# Altium PCB Ctrl_FOC.PcbDoc (part 1 of 2) (continued)
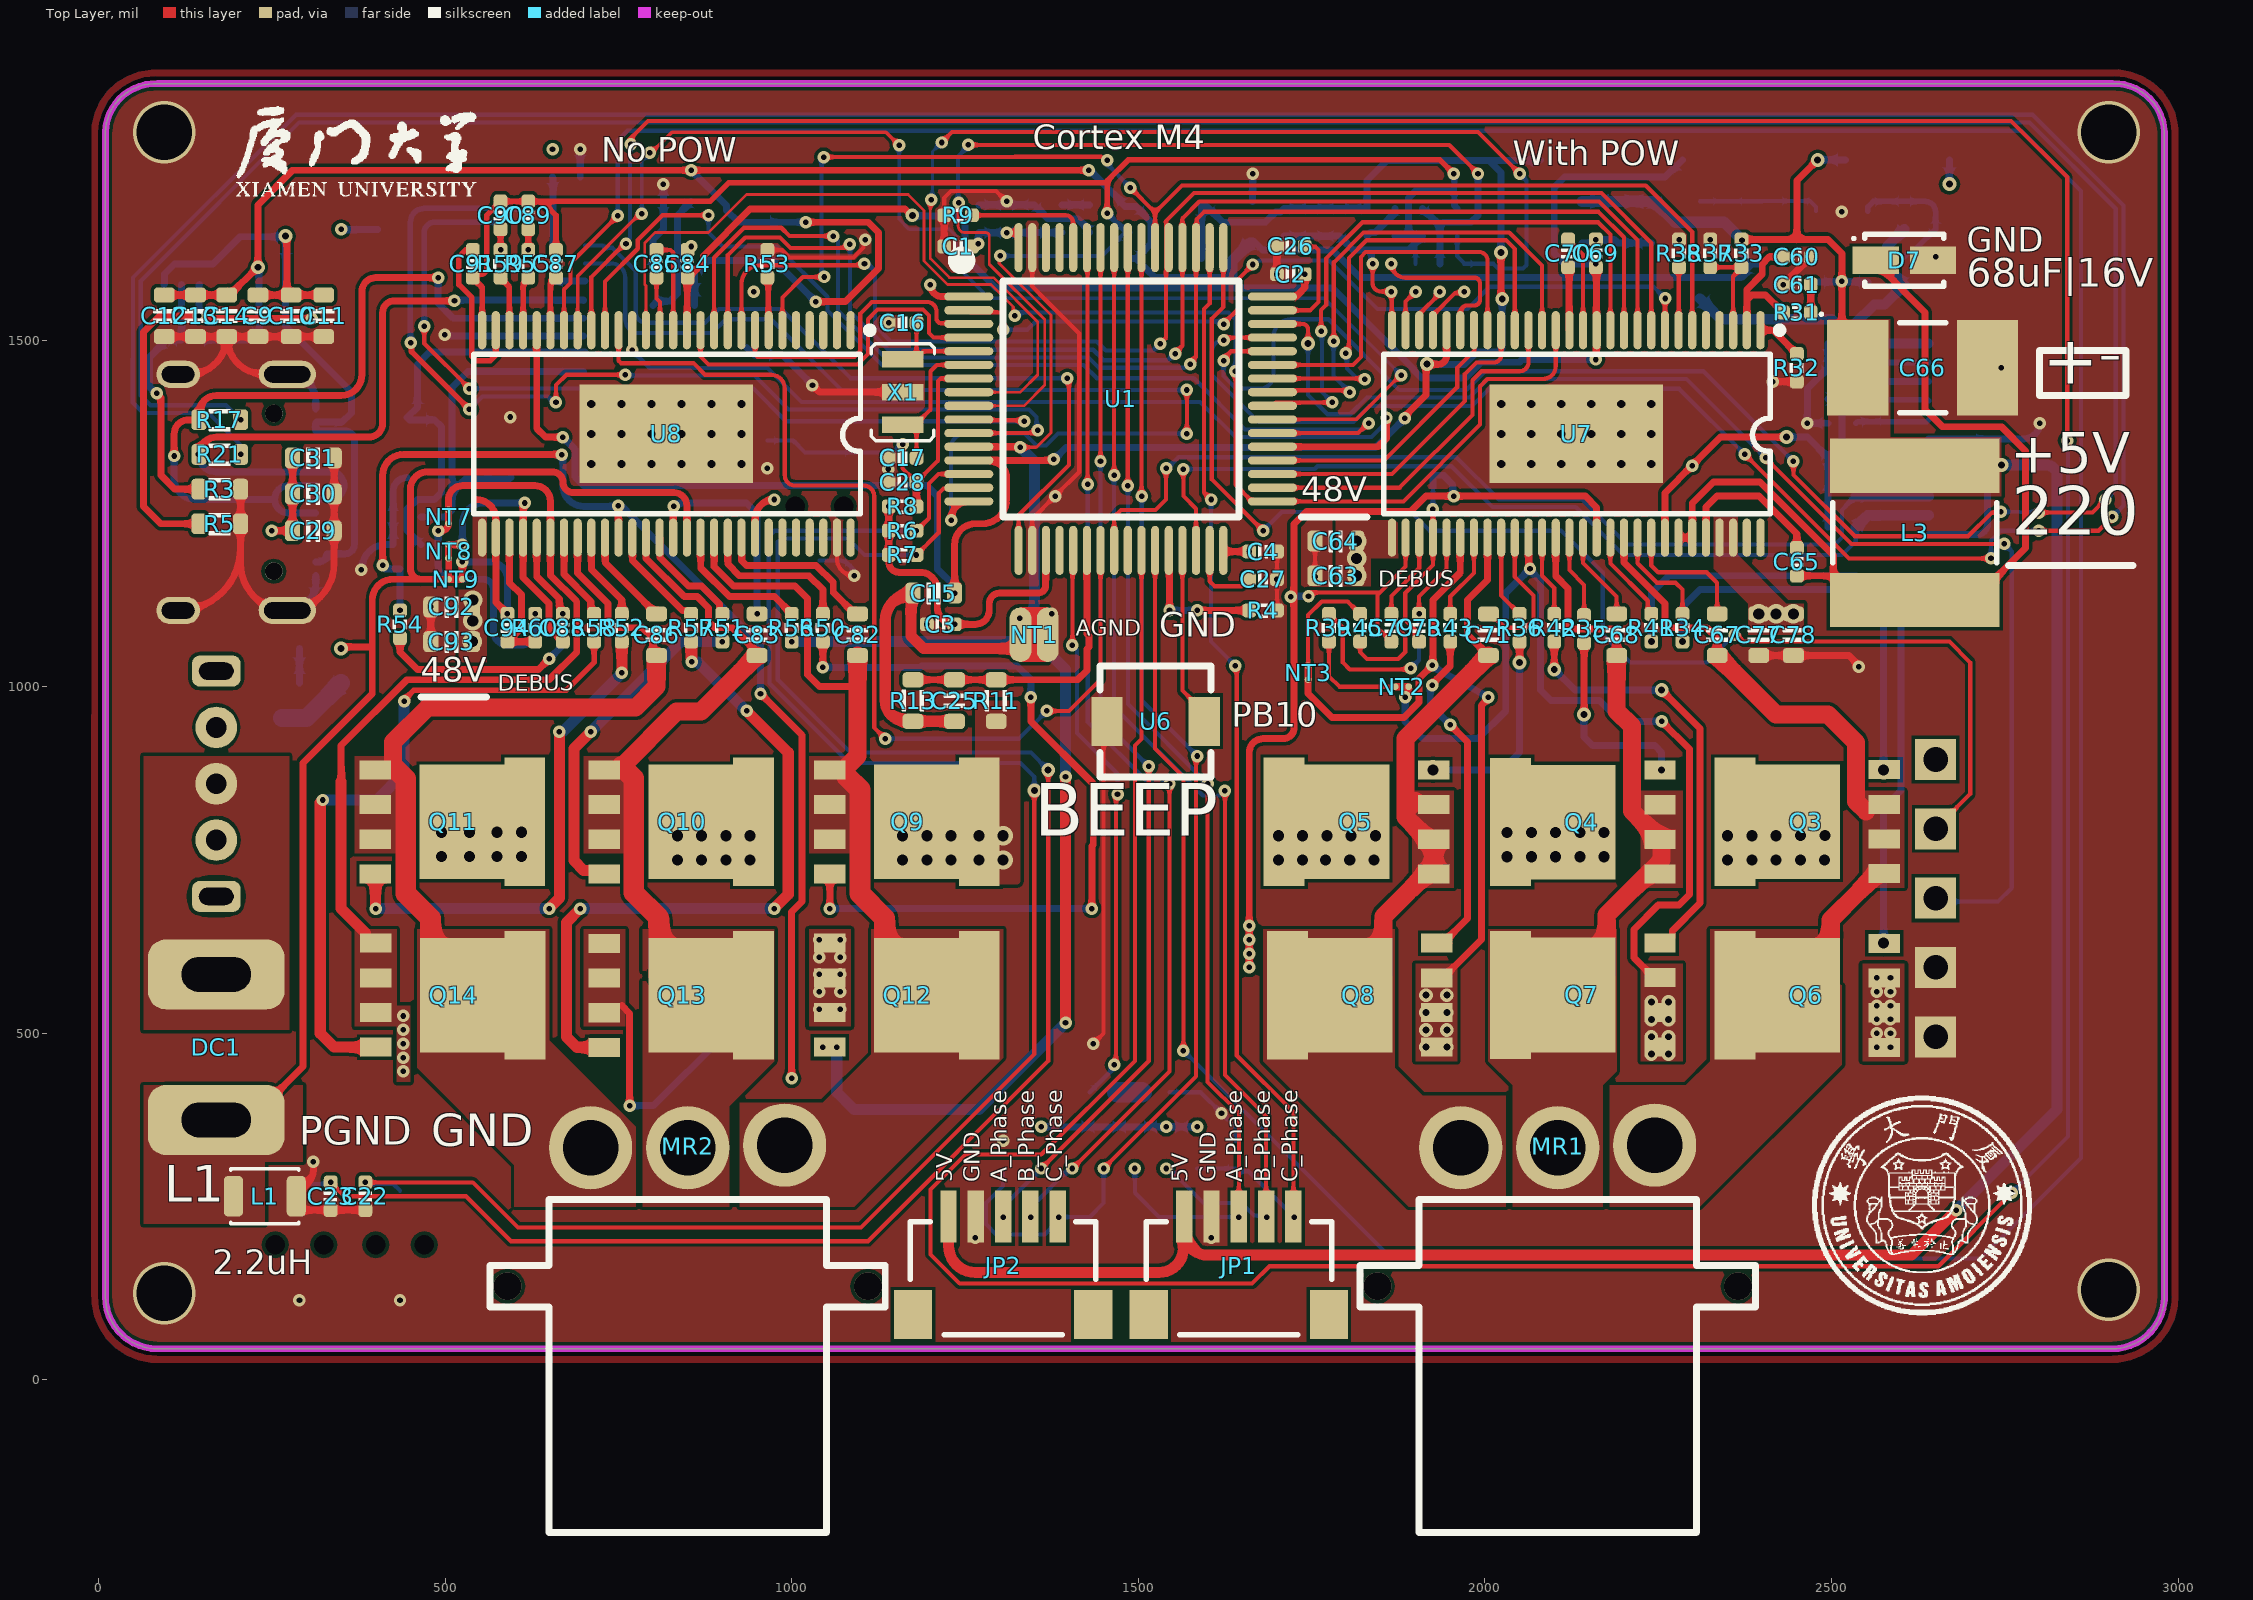
[diagram p0: Top Layer view]
## Footprints (in the part's own frame and the unit in brackets; to place one, negate y for a bottom-side part, rotate by r counter-clockwise, add the part's x,y. Pads: shape width x height; smd on the part's side, far side on the other; paste and mask are expansions set on the pad) (continued)
  silkscreen extent -1.78,-1.14 1.78,1.17
主控芯片LQFP64-10*10 [mm] "10x10mm，0.5mm       淘宝ID:黄晶宝石"
  oval 0.3x1.8 smd: 1(-3.75,-5.575) 2(-3.25,-5.575) 3(-2.75,-5.575) 4(-2.25,-5.575) 5(-1.75,-5.575) 6(-1.25,-5.575) 7(-0.75,-5.575) 8(-0.25,-5.575) 9(0.25,-5.575) 10(0.75,-5.575) 11(1.25,-5.575) 12(1.75,-5.575) 13(2.25,-5.575) 14(2.75,-5.575) 15(3.25,-5.575) 16(3.75,-5.575) 33(3.75,5.55) 34(3.25,5.55) 35(2.75,5.55) 36(2.25,5.55) 37(1.75,5.55) 38(1.25,5.55) 39(0.75,5.55) 40(0.25,5.55) 41(-0.25,5.55) 42(-0.75,5.55) 43(-1.25,5.55) 44(-1.75,5.55) 45(-2.25,5.55) 46(-2.75,5.55) 47(-3.25,5.55) 48(-3.75,5.55)
  oval 1.8x0.3 smd: 17(5.55,-3.75) 18(5.55,-3.25) 19(5.55,-2.75) 20(5.55,-2.25) 21(5.55,-1.75) 22(5.55,-1.25) 23(5.55,-0.75) 24(5.55,-0.25) 25(5.55,0.25) 26(5.55,0.75) 27(5.55,1.25) 28(5.55,1.75) 29(5.55,2.25) 30(5.55,2.75) 31(5.55,3.25) 32(5.55,3.75) 49(-5.55,3.75) 50(-5.55,3.25) 51(-5.55,2.75) 52(-5.55,2.25) 53(-5.55,1.75) 54(-5.55,1.25) 55(-5.55,0.75) 56(-5.55,0.25) 57(-5.55,-0.25) 58(-5.55,-0.75) 59(-5.55,-1.25) 60(-5.55,-1.75) 61(-5.55,-2.25) 62(-5.55,-2.75) 63(-5.55,-3.25) 64(-5.55,-3.75)
  silkscreen extent -5.33,-6.09 4.32,4.32, body extent -6,-6 6,6, height 1.45
单排弯插针5 [mm]
  rect 1.5x1.5 hole 0.9: 1(0,0) 2(2.54,0) 3(5.08,0) 4(7.62,0) 5(10.16,0)
  silkscreen extent -1.27,0.03 11.43,9.71, body extent -1.27,-0.32 11.43,9.81, height 2.51
按键_3x4x2 [mil]
  round 0 hole 28: 0(0,-35) 0(0,35)
  rrect50% 40x74 smd: 1(-78,0) 2(78,0)
  body extent -79,-49 79,49, height 63
电源开关 [mil]
  round 60 hole 30: 1(81.25,0) 2(162.5,0) 3(243.75,0)
  rrect50% 45x70 hole 50 slot 25 at 0 deg: EH(0,0) EH(325,0)
  silkscreen extent -30,-90 355,90, body extent -7,-89 332,89, height 343

## Part data
C1 C2 C3 C4 C6 C7 C8 C16 C17 C19 C20 C21 C22 C23 C24 C26 C27 C28 C32 C33 C34 C35 C36 C50 C51 C58 C59 C60 C61 C65 C69 C70 C72 C73 C74 C75 C76 C79 C84 C85 C87 C88 C89 C90 C91 C94: library part 电容-0402, "Capacitor"
C5 C9 C10 C11 C12 C13 C14 C15 C18 C25 C29 C30 C31 C52 C53 C54 C63 C64 C67 C68 C71 C77 C78 C82 C83 C86 C92 C93: library part 电容-0603, "Capacitor"
C37 C38 C39 C40 C41 C42 C43 C44 C45 C46 C47 C48 C49 C55 C56 C57: library part 电容-1206, "Capacitor"
C66: library part 钽电容
D1 D2 D3 D4: library part LED_0402, "LED"
D5: "40V"
D6: library part LED_0603, "LED"
D7: "Rectifier Diode, Single, 40 V, 1 A, SOD-123FL, 2, 550 mV"
DC1: "12~24VDC电源"
J1: "Header, 5-Pin"
JP1 JP2: library part "Header 5", "5P接插件"
K1 K2 K3: library part ButtonTACT_3x4x2_180, "Button"
L1 L2: library part 电感-0805, "磁珠"
L3: library part NR6028T220M, "INDUCTOR 22UH 1.4A 175.5 MOHM"
MR1 MR2: library part MR30PW-M, "MR30PW-M 三芯"
NT1: library part NetTie_2mm
NT2 NT3 NT4 NT5 NT6 NT7 NT8 NT9: library part NetTie_0.25mm
OLED1: "12880寸OLED"
Q1: "MOSFET"
Q2: "Transistor"
Q3 Q4 Q5 Q6 Q7 Q8 Q9 Q10 Q11 Q12 Q13 Q14: "MOSFET N-CH 30V 13A SO8FL"
R1 R3 R5 R11 R13 R14 R15 R16 R17 R18 R19 R20 R21 R25: library part 电阻-0603, "Resistor"
R2 R4 R6 R7 R8 R9 R10 R12 R23 R24 R26 R27 R28 R29 R30 R31 R32 R33 R34 R35 R36 R37 R38 R39 R40 R41 R42 R43 R44 R45 R50 R51 R52 R53 R54 R55 R56 R57 R58 R59 R60: library part 电阻-0402, "Resistor"
R46 R47 R61 R62: "RES SMD 0.0005 OHM 1% 3W 2512"
TP1 TP2 TP3 TP5: "SMD test pin"
U1: "ARM Cortex-M4 32-bit MCU+FPU, 210 DMIPS, 1024 kB Flash, 192 kB Internal RAM, 51 I/Os, 64-pin LQFP, -40 to 85 degC, Tray"
U2: "IC, LDO, REG, 3.3V, SOT223"
U3: library part LP5907MFX-3.3/NOPB, "IC REG LDO 3.3V 0.25A SOT23-5"
U4: "Port"
U7 U8: "MOTOR DRIVER, 3PH, 56HTSSOP"
USB1: library part USB-Type-C-TOP
X1: library part XTAL-3215
XT1: library part ABM3B-8.000MHZ-10-1-U-T, "Crystal 8MHz ±10ppm 10pF 200 Ohm -10°C ~ 60°C Surface Mount 4-SMD, No Lead (DFN, LCC)"

## Via types
v1: diameter 18, hole 8, Top Layer to Bottom Layer, tented both sides, 276 vias
v2: diameter 28, hole 16, Top Layer to Bottom Layer, tented both sides, 68 vias
v3: diameter 20, hole 10, Top Layer to Bottom Layer, tented both sides, 37 vias
v4: diameter 27.56, hole 11.81, Top Layer to Bottom Layer, 36 vias
v5: diameter 40, hole 40, Top Layer to Bottom Layer, 4 vias
v6: diameter 90, hole 80, Top Layer to Bottom Layer, 4 vias
v7: diameter 18, hole 8, Top Layer to Bottom Layer, 2 vias

## Nets (pads, with @x,y where several pads share a name; then routed paths per layer and width w, separated by ;. In a path a pad name is that pad's centre, name@x,y a point inside that pad or via, vN(x,y) a via of type N, cw(c..) or ccw(c..) an arc to the next point about the centre after c; other vN are vias at no path point)
5V: C5.2 C12.2 C13.2 C14.2 C18.2 C52.2 C53.2 C54.2 C66.1 JP1.1 JP2.1 L2.2 L3.2 Q1.2 Q2.4 R1.2 R33.2 TP2.1 TPS1.4 TPS1.5 U2.3 U3.1 U3.3 | length 7243.2
  Top Layer w10: C12.2@95,1565 C13.2@140,1565 C14.2@185,1565 189.27,1565 v3@230,1605.73 ; v3(230,1605) v3@230,1605.73 ; v1(1020,1670) 1110,1670 1125,1655 1125,1603.13 1077.35,1555.48 v1(1034.52,1555.48) ; v1(1428.84,1745) v1(855,1745) 280,1745 230,1695 v3@230,1605.73 ; R33.2@2370,1645 2450,1645 ; v3@2475,1755 2450,1730 2450,1645 ; C66.1@2537.99,1460 2515,1482.99 v1(2515,1585) 2515,1625 2495,1645 2450,1645 ; L3.2@2615,1315 2618.7,1318.7 L3.2@2620,1318.7
  Top Layer w16: JP2.1@1226.26,235.87 1226.26,193.74 ccw(c1265,193.74) 1265,155 1530,155 ccw(c1530,190) 1565,190 JP1.1@1565,213.74 ; JP1.1@1566.26,235.87 1566.26,213.74 ccw(c1600,213.74) 1600,180 2615,180 v1(2680,245)
  Bottom Layer w10: Q2.4@145.59,1500 214.94,1500 232.6,1517.66 Q1.2@232.6,1530.94 231.3,1532.24 231.3,1603.7 v3(230,1605) ; v1(855,1745) 905.89,1694.11 905.89,1687.17 923.06,1670 v1(1020,1670) ; R1.2@860,1550 C5.2@860,1595 860,1598.73 865.96,1604.69 869.69,1604.69 880,1615 975,1615 v1(1034.52,1555.48) ; v1(1428.84,1745) 1430,1745 1474.13,1700.87 1474.13,1699.21 1480.94,1692.4 U3.3@1488.82,1692.4 1496.69,1692.4 1518.5,1670.59 1518.5,1639.41 U3.1@1496.69,1617.6 ; U3.1@1488.82,1617.6 U3.1@1496.69,1617.6 ; 1635,1590 1523.79,1590 1510.92,1602.86 1510.92,1603.37 U3.1@1496.69,1617.6 ; C18.2@1665,1640 1669.27,1640 1679.27,1630 1780,1630 1820,1590 2369.61,1590 2376.64,1597.02 2376.64,1601.36 L2.2@2385.27,1610 ; v1(2370.82,1644.18) 2370.82,1624.46 L2.2@2385.27,1610 ; L2.2@2400,1610 L2.2@2385.27,1610 ; TPS1.5@2477.6,1583.82 TPS1.4@2552.4,1583.82 ; v3(2480,1760) TP2.1@2520,1760
  Bottom Layer w16: 1635,1593 1635,1614 1661,1640 C18.2@1665,1640 ; C52.2@2140,1700 C53.2@2190,1700 C54.2@2240,1700 2244,1700 2274,1670 2345,1670 v1(2370.82,1644.18) ; v1(2680,245) 2825,390 2825,1310.63 2820.31,1315.31 ccw(c2809,1304) 2809,1320 v3(2745,1320)
AGND: C15.1 C19.1 C20.1 C21.1 C25.1 C72.2 C74.1 C75.1 C76.1 C87.2 C89.1 C90.1 C91.1 D4.2 NT1.2 R13.1 U1.12 U3.2 U7.28 U8.28 | length 3784.3
  Top Layer w4: v1(1301,1621.49) 1301,1621.03 1299.23,1619.26 1299.23,1610.77 1374,1536 1374,1366.37 1353.04,1345.42 v1(1330,1345.42)
  Top Layer w6: v1@1835.7,1607.7 v1(1838,1610) 1838,1582 ccw(c1850,1582) 1850,1570 v1(1865,1570) 1865.47,1569.53 1865.47,1514.68 U7.28@1865.94,1514.21
  Top Layer w8: U8.28@553.5,1514.21 553.5,1575.95 540,1589.46 C91.1@540,1590 545.38,1595.38 555.31,1595.38 560,1600.07 560,1680 C90.1@580,1700 C89.1@620,1700 640,1700 ; C87.2@660,1630 660,1680 640,1700 ; v1(1455,1683.21) 1455,1729.54 ; v1(1955,1740) 1935,1760 1485.46,1760 1455,1729.54 ; 640,1700 882.47,1700 909.47,1727 1421.38,1727 1452.46,1727 1455,1729.54
  Top Layer w10: U1.12@1255.5,1346.1 v1@1328.9,1346.1
  Top Layer w16: C25.1@1235,950 R13.1@1175,950 1165,950 cw(c1165,980) 1135,980 1135,1095 cw(c1175,1095) C15.1@1175,1135 1172,1132 1172,1073 1190,1055 NT1.2@1315,1055 ; v1@1328.9,1346.1 1329.58,1345.42 v1(1330,1345.42)
  Bottom Layer w6: v1(1301,1621.49) 1447.43,1621.49 1480.94,1655 U3.2@1488.82,1655 ; C76.1@1900,1610 1900,1638.92
  Bottom Layer w8: v1(1455,1683.21) 1480.94,1657.26 U3.2@1480.94,1655 ; v1(1955,1740) 1955.86,1739.14 1955.86,1709.14 1955.86,1701.64
  Bottom Layer w10: C19.1@1710,1650 C20.1@1750,1650 C21.1@1790,1650 1810,1630 1835,1630 ; v1(1838,1610) 1836.47,1611.53 1836.47,1622.53 1835,1624 1835,1630 ; D4.2@1870,1650 1890,1650 ; 1955.86,1701.64 1955.86,1694.14 C74.1@1960,1690 ; 1955.86,1709.14 1950,1715 1900,1715 1890,1705 1890,1650 ; 1835,1630 1890,1630 C75.1@1910,1650 1890,1650
  Bottom Layer w16: v1(1329,1099) ccw(c1329,1120) 1350,1120 1350,1325 1330,1345 v1(1330,1345.42)
AVCC: C15.2 C19.2 C20.2 C21.2 R10.2 TP3.1 U1.13 U3.4 U3.5 U7.24 U8.24 | length 3035.7
  Top Layer w10: U8.24@632.24,1514.21 632.24,1372.76 645,1360 v1(670,1360) ; v1(1235,1135) 1235,1205 cw(c1265,1205) 1265,1235 1274.58,1235 ccw(c1274.58,1270.42) 1310,1270.42 1310,1300.84 ccw(c1284.42,1300.84) U1.13@1284.42,1326.42 ; U1.13@1255.5,1326.42 U1.13@1284.42,1326.42 ; v1(1378.21,1328.21) 1376.42,1326.42 U1.13@1284.42,1326.42 ; v1(1884.26,1387) 1884.26,1390.02 1915,1420.76 1915,1464.34 v3(1916.25,1465.59) 1916.84,1465 1932.55,1465 ccw(c1932.55,1477.14) 1944.68,1477.14 U7.24@1944.68,1514.21 ; v3(2023.09,1626.09) 2023.09,1560.91 v3(2025,1559)
  Bottom Layer w10: v1(670,1360) 687.52,1342.48 687.52,1331.47 687.2,1331.15 687.2,1302.8 700,1290 1195,1290 1210,1275 1210,1170 1235,1145 v1(1235,1135) ; v1(1378.21,1328.21) 1379.17,1328.21 1395.96,1345 1842.43,1345 1884.26,1386.83 v1(1884.26,1387) ; U3.5@1591.18,1617.6 U3.4@1591.18,1692.4 1599.06,1692.4 1621.46,1670 1683.23,1670 1698.23,1685 1705,1685 C19.2@1710,1690 C20.2@1750,1690 C21.2@1790,1690 R10.2@1830,1690 1830,1730 1859,1759 2006,1759 ; v3(1916.25,1465.59) 1916.84,1465 1970.4,1465 1988.4,1483 2019.14,1483 2025,1488.86 v3(2025,1559) ; v3(2023.09,1626.09) 2023.09,1741.91 2006,1759 ; TP3.1@2080,1760 2079,1759 2006,1759
BEEP: U1.29 U6.1 | length 259.5
  Top Layer w6: U1.29@1563.58,1196.5 1563.58,994.35 1595,962.93 U6.1@1595,950
BOOT0: R9.2 U1.60 | length 187.8
  Top Layer w6: R9.2@1260,1680 1395,1680 cw(c1395,1668.9) 1406.1,1668.9 U1.60@1406.1,1633.5
BOOT1: R4.2 U1.28 | length 202
  Top Layer w10: U1.28@1543.9,1196.5 1545,1195.39 v1(1545,1110) ; v1(1585,1110) R4.2@1660,1110
  Bottom Layer w10: v1(1545,1110) v1(1585,1110)
DCBUS: C37.2 C38.2 C39.2 C40.2 C41.2 C42.2 C43.2 C44.2 C45.2 C46.2 C47.2 C48.2 C49.2 C55.2 C56.2 C57.2 C63.2 C64.2 C77.2 C78.2 C92.2 C93.2 ON1.3 Q3.D Q4.D Q5.D Q9.D Q10.D Q11.D R11.2 R25.2 U7.29 U7.53 U7.54 U8.29 | length 177.5
  Top Layer w10: Q4.D@2017.87,823.86 Q4.D@2037.01,804.72 ; Q3.D@2468.74,805.28 Q3.D@2500.39,836.93
  Bottom Layer w26: 265,955 300,955 R25.2@350,1005
  other v2: 835,750 870,750 905,750 940,750 1160,750 1195,750 1230,750 1270,750 1305,750 1701.93,750 1736.93,750 1770,750 1805,750 1840,750 2350,750 2385,750 2420,750 2455.39,750.28 2490,750 495,755 535,755 575,755 610,755 2031.93,754.72 2066.93,754.72 2101.93,754.72 2136.93,754.72 2171.93,754.72 835,785 870,785 905,785 940,785 1160,785 1195,785 1230,785 1270,785 1305,785 1701.93,785 1736.93,785 1771.93,785 1806.93,785 1841.93,785 2350,785 2385,785 2420,785 2455.39,785.28 2490.39,785.28 495,790 535,790 575,790 610,790 2031.93,789.72 2066.93,789.72 2101.93,789.72 2136.93,789.72 2171.93,789.72 539.5,1065 540,1095 2395,1105 2420,1105 2445,1105 540,1125 1815,1160 1815,1185 1815,1210
EN_GATE: U1.33 U7.16 U8.16 | length 2013.2
  Top Layer w4: U8.16@789.72,1514.21 789.72,1578.31 788,1580.03 788,1639.97 803.03,1655 880,1655 935,1710 1168.04,1710 1191,1687.04 1191,1614 1225,1580 1287.33,1580 1319.77,1547.56 1319.77,1547.09 1319.77,1538.7 v1(1322,1535)
  Top Layer w6: v1(1640.02,1454.98) 1640.02,1291.32 1663.98,1267.36 U1.33@1693.5,1267.36 1882.36,1267.36 1993,1378 1993,1433.29 2003.38,1443.67 2006.57,1443.67 2006.9,1444 2084,1444 ccw(c2084,1462.17) 2102.17,1462.17 U7.16@2102.17,1514.21
  Bottom Layer w6: v1(1322,1535) 1327.91,1539.98 1630.04,1539.98 1640.02,1530 v1(1640.02,1454.98)
GH1_A: R50.1 U8.47 | length 225.4
  Top Layer w10: U8.47@907.83,1215 907.83,1177.17 925,1160 1025,1160 1045,1140 R50.1@1045,1105
GH1_B: R51.1 U8.42 | length 158.5
  Top Layer w10: U8.42@809.41,1215 809.76,1214.65 809.76,1186.51 851.26,1145 870,1145 895.86,1119.14 895.86,1109.14 R51.1@900,1105
GH1_C: R52.1 U8.37 | length 128.2
  Top Layer w10: U8.37@710.98,1215 710.98,1169.02 755,1125 R52.1@755,1105
GH_A: R34.1 U7.47 | length 152.4
  Top Layer w6: U7.47@2220.28,1215 2220.28,1178.11 2248.38,1150 2275,1150 2285,1140 R34.1@2285,1105
GH_B: R35.1 U7.42 | length 120.6
  Top Layer w6: U7.42@2121.85,1215 2121.85,1168.15 2143.08,1146.92 R35.1@2143.08,1103.22
GH_C: R36.1 U7.37 | length 121
  Top Layer w6: U7.37@2023.43,1215 2023.43,1131.57 R36.1@2050,1105
GL1_A: R56.1 U8.45 | length 202.6
  Top Layer w10: U8.45@868.46,1215 868.81,1214.65 868.81,1171.19 910,1130 975,1130 R56.1@1000,1105
GL1_B: R57.1 U8.40 | length 149.6
  Top Layer w10: U8.40@770.04,1215 770.39,1214.65 770.39,1182.04 806.16,1146.26 842.43,1110 850,1110 R57.1@855,1105
GL1_C: R58.1 U8.35 | length 128
  Top Layer w10: U8.35@671.61,1215 671.61,1162.17 710,1123.79 710,1110 R58.1@715,1105
GL_A: R41.1 U7.45 | length 135
  Top Layer w6: U7.45@2180.91,1215 2180.91,1177.92 2234.82,1124 2234.82,1111.85 2239.17,1107.5 R41.1@2242.5,1107.5
GL_B: R42.1 U7.40 | length 117.3
  Top Layer w6: U7.40@2082.48,1215 2082.48,1160.01 2100,1142.5 R42.1@2100,1105
GL_C: R43.1 U7.35 | length 124.1
  Top Layer w6: R43.1@1950,1105 1950,1130 1984.06,1164.06 U7.35@1984.06,1215
GND: C1.1 C2.1 C3.1 C4.1 C5.1 C6.1 C7.1 C8.1 C9.1 C10.1 C11.1 C12.1 C13.1 C14.1 C16.1 C17.1 C18.1 C22.1 C23.1 C24.1 C26.1 C27.1 C28.2 C29.1 C30.1 C31.1 C32.1 C33.1 C34.1 C35.1 C36.1 C50.1 C52.1 C53.1 C54.1 C58.1 C59.1 C60.2 C61.2 C63.1 C64.1 C66.2 C69.1 C77.1 C78.1 C84.1 C92.1 C93.1 D1.2 D2.2 D3.2 D7.A J1.1 J1.2 JP1.2 JP2.2 K1.2 K2.2 K3.2 L1.2 NT1.1 OLED1.7 OLED1.9 OLED1.12 R3.2 R4.1 R5.1 R9.1 R28.2 R30.1 R32.1 R37.1 R38.1 R53.1 TPS1.2 U1.18 U1.63 U2.1 U4.8 U6.2 U7.57 U8.55 U8.57 USB1.1 USB1.2 USB1.3 USB1.4 USB1.A1 USB1.A12 USB1.B1 USB1.B12 X1.2 XT1.G | length 5261.1
  Top Layer w6: R53.1@965,1630 985.82,1630 996.82,1619 1089,1619 1103.7,1633.7 1103.7,1642.45 v1(1106,1644.75) ; U8.55@1065.32,1238.17 U8.55@1065.32,1215 1065.32,1184.68 ccw(c1090,1184.68) v1(1090,1160) ; R9.1@1220,1680 1220,1705 1230,1715 1295,1715 v1(1310,1700) ; U1.18@1347.05,1196.5 1347.05,1242.05 v1(1380,1275) 1414.79,1309.79 1414.79,1509.35 1347.05,1577.1 U1.63@1347.05,1633.5 ; v1(1435,485) 1450,500 1450,945 cw(c1455,945) U6.2@1455,950 ; R4.1@1700,1110 v1(1700,1155) C4.1@1700,1195 ; v1(1755,1158.75) C63.1@1755,1160 C64.1@1755,1210
  Top Layer w10: C12.1@95,1505 C13.1@140,1505 C14.1@185,1505 ; USB1.2@115,1110 ccw(c115,1200) 205,1200 ; USB1.1@115,1450.55 130.55,1450.55 ccw(c130.55,1505) C14.1@185,1505 ; R3.2@205,1285 R5.1@205,1235 205,1200 ; USB1.4@272.48,1450.55 239.45,1450.55 cw(c239.45,1505) C14.1@185,1505 ; v1(310,315) 310,302.36 cw(c285.28,302.36) 285.28,277.64 L1.2@285.28,265 285.28,253.64 293.91,245 C23.1@335,245 C22.1@385,245 ; C11.1@325,1505 C10.1@278,1505 C9.1@230,1505 C14.1@185,1505 ; C31.1@340,1330 C30.1@340,1278 C29.1@340,1225 340,1177.52 cw(c272.48,1177.52) USB1.3@272.48,1110 cw(c272.48,1177.48) 205,1177.48 205,1200 ; C93.1@479.5,1065 v1(479.5,1115) ; v1(1030,1435) 1040,1425 X1.2@1160,1425 ; C28.2@1140,1295 C17.1@1140,1330 ; C1.1@1220,1635 R9.1@1220,1680 ; v1(1700,1595) C26.1@1700,1635 ; C77.1@2395,1045 C78.1@2445,1045 2525,1045 v1@2540,1030 ; v1(2415,1440) R32.1@2450,1440 ; v1(2430,1580) C60.2@2470,1620
  Bottom Layer w6: K3.2@1040,1182 1068,1182 cw(c1068,1160) v1(1090,1160) ; D3.2@1545,415 1590,415 v1(1620,385) 1640,365 C35.1@1640,345
  Bottom Layer w10: USB1.3@272.48,1110 275.04,1110 ccw(c275.04,1148.39) USB1.A1@313.43,1148.39 USB1.B12@313.43,1160.2 ; USB1.4@272.48,1450.55 275.04,1450.55 cw(c275.04,1412.17) USB1.A12@313.43,1412.17 USB1.B1@313.43,1400.35 ; v1@380,1170 cw(c415,1170) 415,1205 C33.1@425,1205 C34.1@425,1245 425,1281.5 cw(c445.2,1281.5) XT1.G@445.2,1301.69 ; v1(499.23,1507.93) 501.3,1505.87 U4.8@700,1505.87 ; C32.1@695,1735 v1(695,1775) ; C5.1@800,1595 800,1644.98 815,1659.98 D1.2@815,1700 v1(815,1725) ; U2.1@935.08,1489.45 946.32,1478.21 986.79,1478.21 v1(1030,1435) v1@1035,1430 ; C6.1@1270,1695 C7.1@1310,1695 C8.1@1350,1695 1370,1675 1412.5,1675 1425,1662.5 1425,1660 D2.2@1430,1655 ; C18.1@1665,1700 v1(1665,1740) ; C52.1@2140,1640 2155,1640 ccw(c2155,1645) v1(2160,1645) 2185,1645 cw(c2185,1640) C53.1@2190,1640 C54.1@2240,1640 ; R28.2@2495,1380 v1(2465,1380) 2465,1430 C59.1@2495,1460 C50.1@2495,1495 ; OLED1.12@2640,1219.65 2709.65,1219.65 ccw(c2709.65,1235) 2725,1235 2725,1305 ; OLED1.9@2640,1302.32 2722.32,1302.32 ccw(c2722.32,1305) 2725,1305 ; OLED1.7@2640,1357.44 OLED1.7@2707.56,1357.44 ; v1(2800,1380) cw(c2777.44,1380) 2777.44,1357.44 OLED1.7@2707.56,1357.44 ; OLED1.7@2707.56,1357.44 cw(c2707.56,1340) 2725,1340 2725,1305
  other v1: 290,115 435,115 1265,205 1605,205 1305,345 2539,1029 1195,1090 1375,1105 379,1169 1139,1314 965,1315 594,1389 2745,1460 1140,1525 2650,1620 855,1635 2280,1645 2325,1645 2515,1685
  other v4: 710.98,1321.3 754.29,1321.3 797.6,1321.3 840.91,1321.3 884.21,1321.3 927.52,1321.3 2023.43,1321.3 2066.73,1321.3 2110.04,1321.3 2153.35,1321.3 2196.65,1321.3 2239.96,1321.3 710.98,1364.61 754.29,1364.61 797.6,1364.61 840.91,1364.61 884.21,1364.61 927.52,1364.61 2023.43,1364.61 2066.73,1364.61 2110.04,1364.61 2153.35,1364.61 2196.65,1364.61 2239.96,1364.61 710.98,1407.91 754.29,1407.91 797.6,1407.91 840.91,1407.91 884.21,1407.91 927.52,1407.91 2023.43,1407.91 2066.73,1407.91 2110.04,1407.91 2153.35,1407.91 2196.65,1407.91 2239.96,1407.91
  other v6: 95,125 2900,130 95,1800 2900,1800
GVDD: C69.2 C84.2 TP5.1 U7.13 U8.13 | length 2076.8
  Top Layer w6: U8.13@848.78,1514.21 U8.13@849.39,1514.82 ; C84.2@849.39,1589.39 C84.2@850,1590 ; v1(2160,1610) 2160.61,1609.39 C69.2@2160.61,1604.39
  Top Layer w10: U8.13@849.39,1514.82 C84.2@849.39,1589.39 ; C84.2@850,1590 872.5,1612.5 872.5,1621.44 940.06,1689 1163.14,1689 1172.14,1680 v3(1174,1680) ; v1(2160,1472) 2160.87,1472.87 2160.87,1513.95 2160.61,1514.21 2160.87,1514.48 2160.87,1604.13 C69.2@2160.61,1604.39
  Bottom Layer w10: v3(1174,1680) 1175,1679 1241,1679 1250,1670 1250,1620 1295,1575 1780.2,1575 1898.17,1457.04 1898.17,1455.38 1908.55,1445 1971.62,1445 1994.62,1468 2049.6,1468 2053.6,1472 v1(2160,1472) ; v1(2160,1610) 2115,1610 2100,1625 2100,1720 2115,1735 2260,1735 TP5.1@2285,1760
KEY1: C22.2 K1.1 R6.2 U1.14 | length 2555.7
  Top Layer w6: v1(385,285) 540,285 605,220 1100,220 1350,470 v3(1350,850) ; v1(1180,1225) 1198,1243 1198,1293 1211.73,1306.73 U1.14@1255.5,1306.73
  Bottom Layer w6: v1(385,285) 387.3,282.7 425.3,282.7 K1.1@435,273 ; v1(1180,1225) 975,1225 967,1217 967,1066.38 968,1065.38 968,1005 1083,890 1330,890 1350,870 v3(1350,850)
KEY2: C23.2 K2.1 R7.2 U1.15 | length 2651.8
  Top Layer w6: v1(335,285) 355,265 530,265 595,200 1110,200 1370,460 v3(1370,880) ; v1(1180,1190) 1212.06,1222.06 1212.06,1278.97 1219.03,1285.94 1254.38,1285.94 U1.15@1255.5,1287.05
  Bottom Layer w6: K2.1@290,273 299.7,282.7 332.7,282.7 v1(335,285) ; v1(1180,1190) 1105,1190 1081,1214 985,1214 980,1209 980,1010 1085,905 1345,905 v3(1370,880)
LED: R12.1 U1.21 | length 825.4
  Top Layer w6: v1(1405,1060) 1405,1195.39 U1.21@1406.1,1196.5 ; v1(1465.48,454.52) 1467.74,456.78 1467.74,842.74 v1(1470,845)
  Bottom Layer w6: v1(1405,1060) 1411.42,1053.58 1411.42,933.02 1470,874.44 v1(1470,845) ; R12.1@1430,415 1463.18,448.18 1463.18,452.22 v1(1465.48,454.52)
M0_AH: U1.41 U7.17 | length 742.2
  Top Layer w6: U1.41@1693.5,1424.84 1696.37,1427.7 1802.3,1427.7 v1(1805,1425) ; v1(1782,1498.25) 1782,1612.15 1824.93,1655.09 2035.1,1655.09 2082.48,1607.71 U7.17@2082.48,1514.21
  Bottom Layer w6: v1(1782,1498.25) 1781.63,1497.88 1781.63,1448.37 v1(1805,1425)
M0_AL: U1.34 U7.18 | length 521.9
  Top Layer w6: U1.34@1693.5,1287.05 1877.05,1287.05 1982,1392 1982,1442 1995,1455 2050,1455 ccw(c2050,1467.8) 2062.8,1467.8 U7.18@2062.8,1514.21
M0_BH: U1.42 U7.19 | length 700.8
  Top Layer w6: U1.42@1693.5,1444.53 1825.47,1444.53 v1(1826.5,1443.5) ; v1(1799.04,1481.21) 1800.49,1481.21 1804,1484.73 1804,1618.6 1829.49,1644.09 2030.54,1644.09 2043.11,1631.52 U7.19@2043.11,1514.21
  Bottom Layer w6: v1(1799.04,1481.21) 1801.02,1479.23 1801.02,1458.98 1814.77,1445.23 1824.77,1445.23 v1(1826.5,1443.5)
M0_BL: U1.35 U7.20 | length 461.4
  Top Layer w6: U1.35@1693.5,1306.73 1865.73,1306.73 1971,1412 1971,1451 1987.67,1467.67 2012.67,1467.67 ccw(c2012.67,1478.43) 2023.43,1478.43 U7.20@2023.43,1514.21
M0_CH: U1.43 U7.21 | length 569.9
  Top Layer w6: U1.43@1693.5,1464.21 1809.63,1464.21 1821,1475.59 1821,1620.04 1827.96,1627 1991.74,1627 cw(c1991.74,1615) 2003.74,1615 U7.21@2003.74,1514.21
M0_CL: U1.36 U7.22 | length 403.2
  Top Layer w6: U1.36@1693.5,1326.42 1854.42,1326.42 1960,1432 1960,1460 1985,1485 1985,1513.27 U7.22@1984.06,1514.21
M0_DC_CAL: U1.40 U7.12 | length 883.1
  Top Layer w6: U1.40@1693.5,1405.16 1698.35,1410 v1(1780,1410) ; v1(1763.65,1513) 1763.65,1543.1 1771,1550.44 1771,1617.67 1823.33,1670 2163.38,1670 2180.91,1652.48 U7.12@2180.91,1514.21
  Bottom Layer w6: v1(1763.65,1513) 1765,1511.65 1765,1425 v1(1780,1410)
M0_ENC_A: JP1.3 R14.1 U1.56 | length 1663.5
  Top Layer w6: U1.56@1484.84,1633.5 1484.84,1290.16 v1(1485,1290) ; v1(1600,860) 1600,430 1645,385 JP1.3@1645,235.86
  Bottom Layer w6: v1(1485,1290) 1485,975 v1(1600,860) ; v1(1495,305) 1495,270 1530,235 v1(1645,235)
M0_ENC_B: JP1.4 R15.1 U1.57 | length 1691.2
  Top Layer w6: v1(1465,1305) 1465.16,1305.16 U1.57@1465.16,1633.5 ; v1(1625,850) 1625,440 1684.37,380.63 JP1.4@1684.37,235.87
  Bottom Layer w6: v1(1465,1305) 1465,970.96 1592.96,843 1618,843 v1(1625,850) ; v1(1540,305) 1544,305 1594,255 1649.04,255 1667,237.04 1682.96,237.04 v1(1685,235)
M0_ENC_Z: C35.2 JP1.5 R16.1 U1.50 | length 1618.3
  Top Layer w6: U1.50@1602.95,1633.5 1602.95,1552.64 1595,1544.69 1595,1280 v1(1605,1270) ; v1@1640,1025 1642,1023 1642,468 1723.74,386.26 JP1.5@1723.74,235.86
  Bottom Layer w6: R16.1@1585,305 C35.2@1640,305 1644,301 1659,301 v1(1725,235) ; v1(1605,1270) 1605,1065 v1(1640,1030)
M0_nCS: U1.2 U7.8 | length 1187.7
  Top Layer w6: U1.2@1255.5,1542.95 ccw(c1258.45,1542.95) 1258.45,1540 1300,1540 cw(c1300,1535) 1305,1535 v1(1305,1515) ; v1(1623,1522.98) 1623,1523.96 1645,1545.96 1645,1588.89 v1(1665.11,1609) ; U7.8@2259.65,1514.21 2259.82,1514.39 2259.82,1559.82 v1(2260,1560)
  Bottom Layer w6: v1(1305,1515) 1340,1515 1352,1527 1617,1527 1621.02,1522.98 v1(1623,1522.98) ; v1(1665.11,1609) 1668.36,1609 1674.36,1615 1775,1615 1845,1545 1975,1545 2007,1577 2243,1577 v1@2255,1565
M0_SO1: C74.2 R40.1 U1.8 | length 1685.9
  Top Layer w4: v1(1201,1702.43) 1201,1701 1200,1700 1200,1617.73 1227.73,1590 1291,1590 1355,1526 1355,1450 1329.84,1424.84 U1.8@1255.5,1424.84
  Top Layer w6: v1(1216.25,1785) 1231.25,1800 1990,1800 v1(2050,1740)
  Bottom Layer w4: v1(1201,1702.43) 1203,1704.43 1203,1771.75 v1(1216.25,1785)
  Bottom Layer w6: C74.2@1960,1650 1960,1621.08 1970,1611.08 R40.1@1970,1610 2012.2,1610 2019.2,1603 2055,1603 2060,1608 2060,1730 v1@2055,1735
M0_SO2: C75.2 R44.1 U1.9 | length 1511.2
  Top Layer w4: v1(1241.14,1698) 1241.14,1697.44 1240,1696.29 1240,1665 ccw(c1250,1665) 1250,1655 1280,1655 cw(c1280,1650) 1285,1650 1285,1609.44 1365,1529.44 1365,1435.16 1335,1405.16 U1.9@1255.5,1405.16
  Top Layer w6: v1(1254.49,1781.49) 1948.51,1781.49 v1(1990,1740)
  Bottom Layer w6: v1(1241.14,1698) 1240,1699.14 1240,1765 1254.49,1779.49 v1(1254.49,1781.49)
  Bottom Layer w10: C75.2@1910,1690 1935,1665 ; R44.1@1935,1610 1935,1665 ; v1(1990,1740) 1990,1680 1980,1670 1940,1670 1935,1665
M1_AH: U1.37 U8.17 | length 1354.5
  Top Layer w10: U1.37@1693.5,1346.1 1846.1,1346.1 1858,1358 v1(1858,1388)
  Bottom Layer w6: v1(770,1485) 795.2,1459.8 965,1459.8 1014.01,1410.79 1589.21,1410.79 1640,1360 1836.31,1360 1858,1381.69 v1(1858,1388)
M1_AL: U1.23 U8.18 | length 1463.1
  Top Layer w6: U8.18@750.35,1514.21 750.35,1470.18 753.87,1466.67 858.33,1466.67 875,1450 970,1450 cw(c970,1430) 990,1430 990,1305 ccw(c1005,1305) 1005,1290 1104,1290 cw(c1104,1275) 1119,1275 1119,941 v1(1135,925) ; v1(1368,965) 1400,965 1445.47,1010.47 U1.23@1445.47,1196.5
  Bottom Layer w6: v1(1135,925) 1328,925 v1(1368,965)
M1_BH: U1.38 U8.19 | length 1516.5
  Top Layer w6: U8.19@730.67,1514.21 730.67,1584.46 778,1631.79 778,1644.11 813.89,1680 v1(880,1680) ; U1.38@1693.5,1365.79 1817.15,1365.79 v1@1831.36,1380
  Top Layer w10: v1@1831.36,1380 v1(1832.27,1380)
  Bottom Layer w6: v1(880,1680) 880,1655 900,1635 979.04,1635 1051.52,1562.52 1051.52,1542.77 1130.29,1464 1421,1464 1440,1445 1580,1445 1654,1371 1824.53,1371 v1@1829.28,1375.76
M1_BL: U1.26 U8.20 | length 6753.7
  Top Layer w6: U8.20@710.98,1514.21 710.98,1590.98 757.51,1637.51 759.68,1637.51 v1(761,1638.83) ; v1(767.62,1782.62) 767.62,1790.79 792.83,1816 2759,1816 2840,1735 v1(2840,1355) ; U1.26@1504.53,1196.5 1504.53,924.53 1495,915 1495,460 1360,325 1250.56,325 1200.28,274.72 1200.28,181.05 1242.33,139 1664,139 1689,164 2654,164 v1@2758.08,268.08
  Bottom Layer w6: v1(761,1638.83) 761,1641 766.83,1646.83 766.83,1781.83 v1(767.62,1782.62) ; v1@2758.05,268.05 2841,351 2841,1354 v1(2840,1355)
  other v1: 2760,270
M1_CH: U1.39 U8.21 | length 1841.9
  Top Layer w5: U8.21@691.3,1514.21 691.3,1592.47 780.83,1682 v1(783.83,1682) ; v1(795,1770) 797.33,1770 827.33,1800 1136,1800 v1(1155,1781) ; U1.39@1693.5,1385.47 1814.41,1385.47 1878.1,1449.17 v1(1879.17,1449.17)
  Bottom Layer w5: v1(783.83,1682) 783.83,1758.83 v1(795,1770) ; v1(1155,1781) 1155,1674.25 1169.25,1660 1227.5,1660 1237.5,1650 1237.5,1607.5 1285,1560 1768.33,1560 v1(1879.17,1449.17)
M1_CL: U1.27 U8.22 | length 6076.4
  Top Layer w6: U8.22@671.61,1514.21 671.61,1573.23 680.8,1582.41 680.8,1610.8 v1(749.01,1679.01) v1@749.01,1683.99 ; U1.27@1524.21,1196.5 1524.21,910.79 1565,870 v1(1565,475)
  Bottom Layer w6: v1(749.01,1679.01) 749.01,1788.06 762.96,1802 2773,1802 2860,1715 2860,320 2715,175 1865,175 v1(1565,475)
M1_DC_CAL: U1.4 U8.12 | length 523.1
  Top Layer w6: U8.12@868.46,1514.21 868.46,1476.54 880,1465 1095,1465 1110,1480 1110,1530 1124,1544 1189.38,1544 1198,1535.38 1198,1510 1204.42,1503.58 U1.4@1255.5,1503.58